# Altium PCB SerializerBoard.PcbDoc (part 1 of 2)
Units mm, origin at the board's own origin, x right, y up, seen from the top; angles counter-clockwise.
Board outline 152.4 x 101.6 mm, 6 copper layers (SIG_TOP, GND_1, PWR, SIG_2, GND, SIG_BOT), stack 0.758 mm thick; 260 components, 142 nets, 833 pads, 16 vias.
Unrouted connection lines stored in the file: 515.
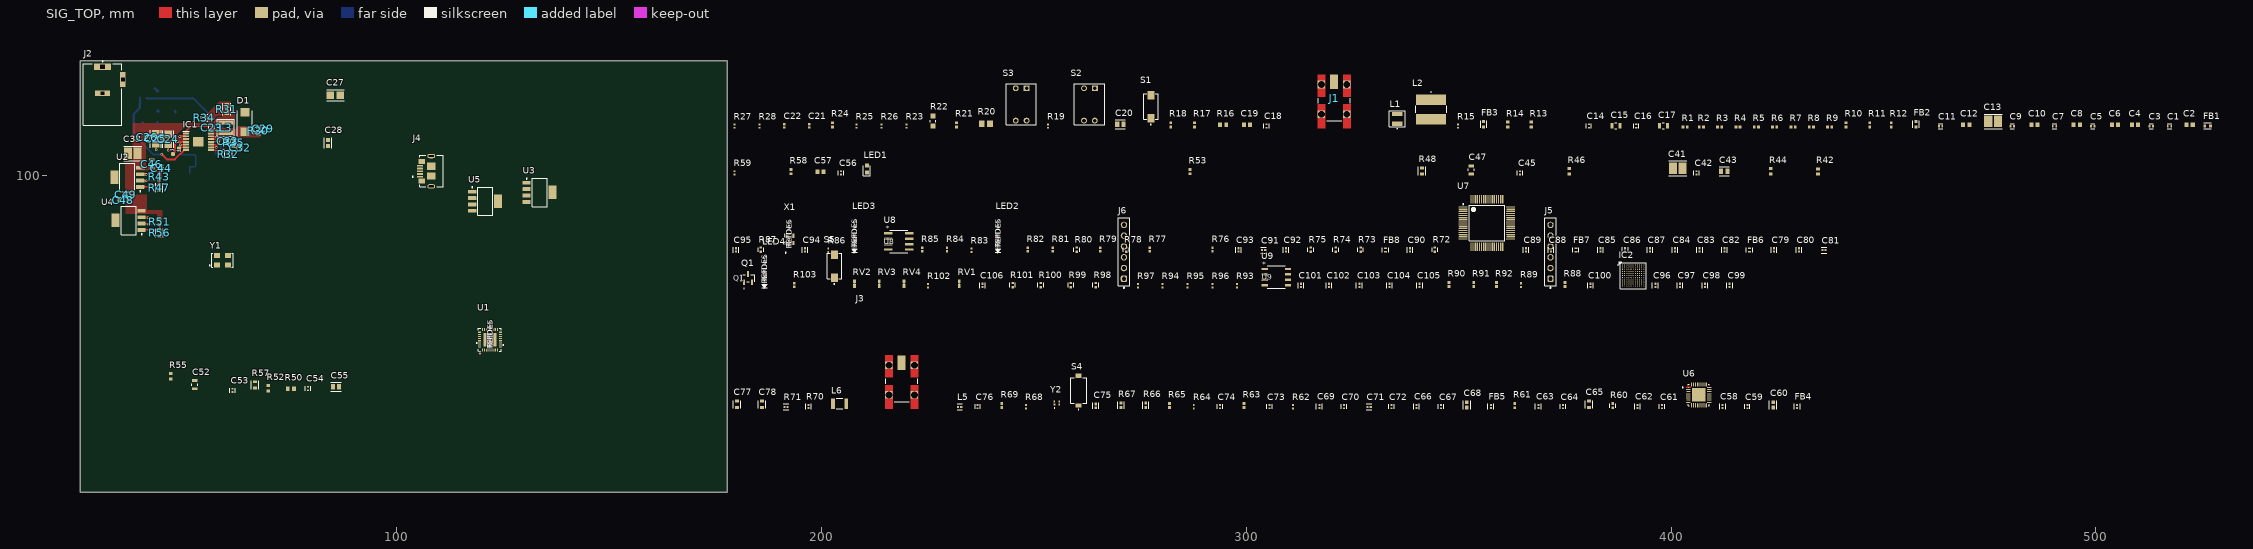
[diagram p0: SIG_TOP view]
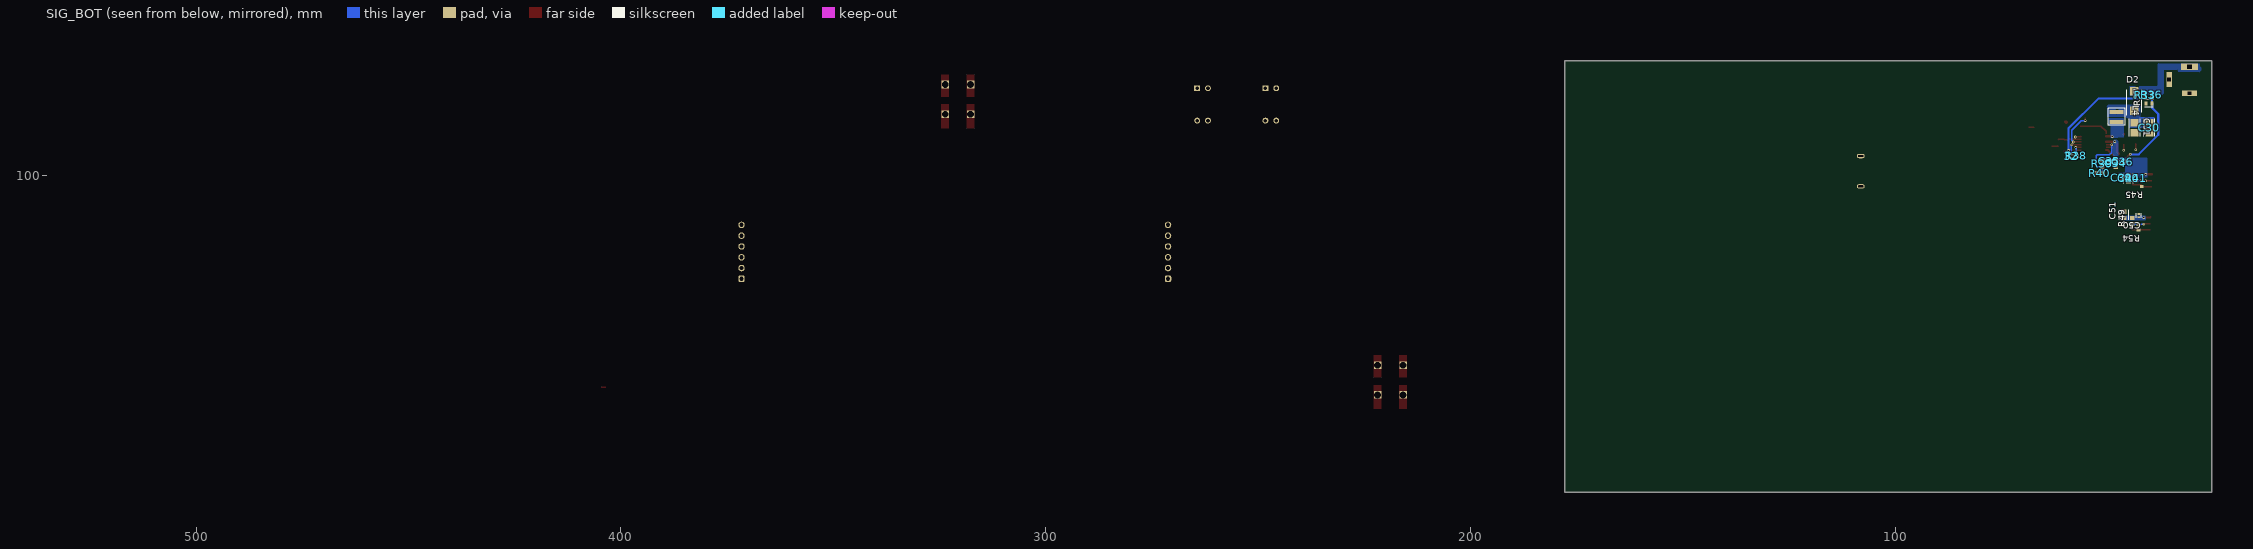
[diagram p1: SIG_BOT view, seen from below]
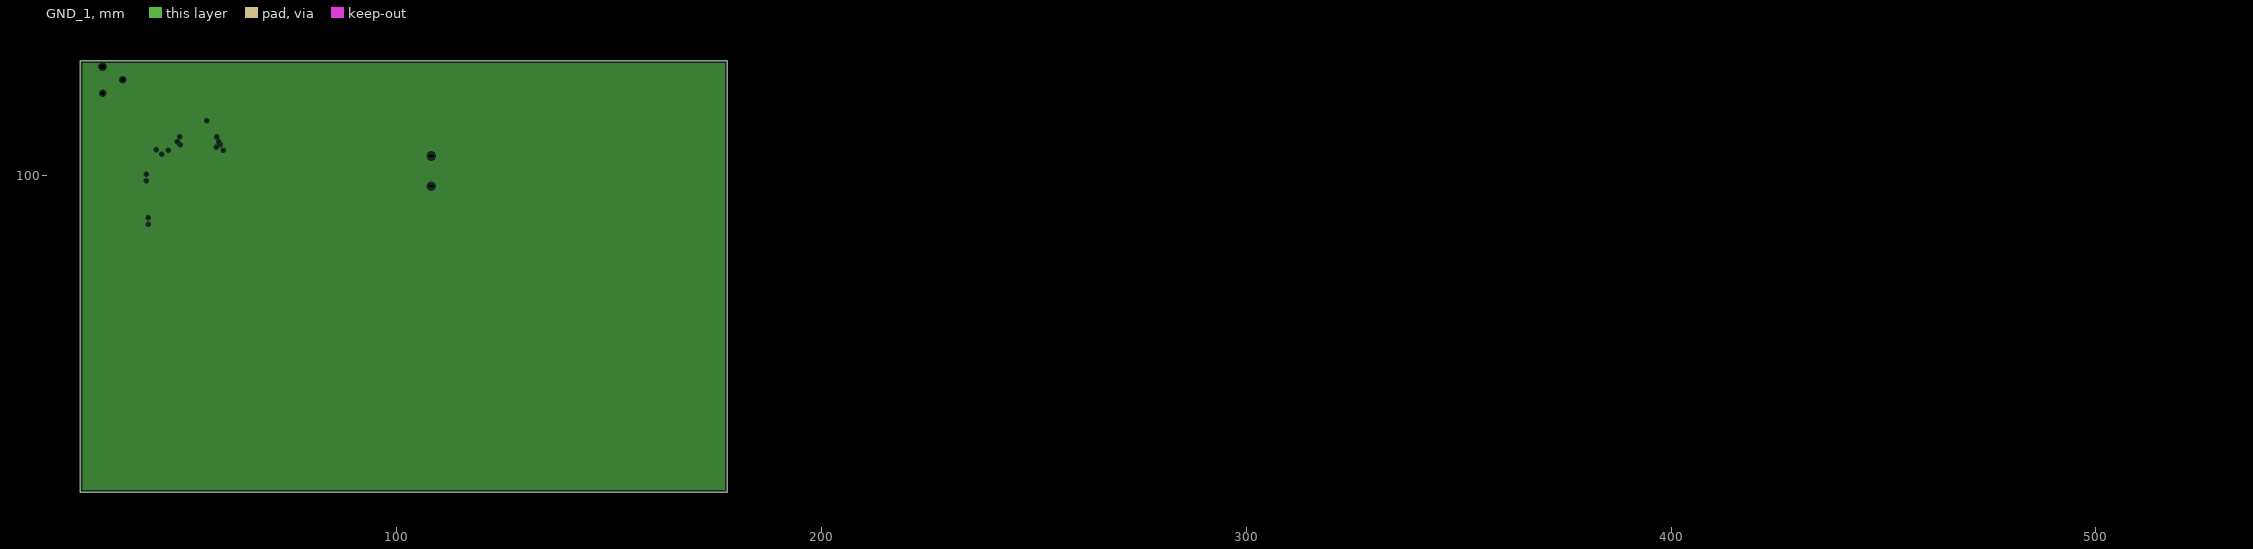
[diagram p2: GND_1, clearances drawn from the general rule]
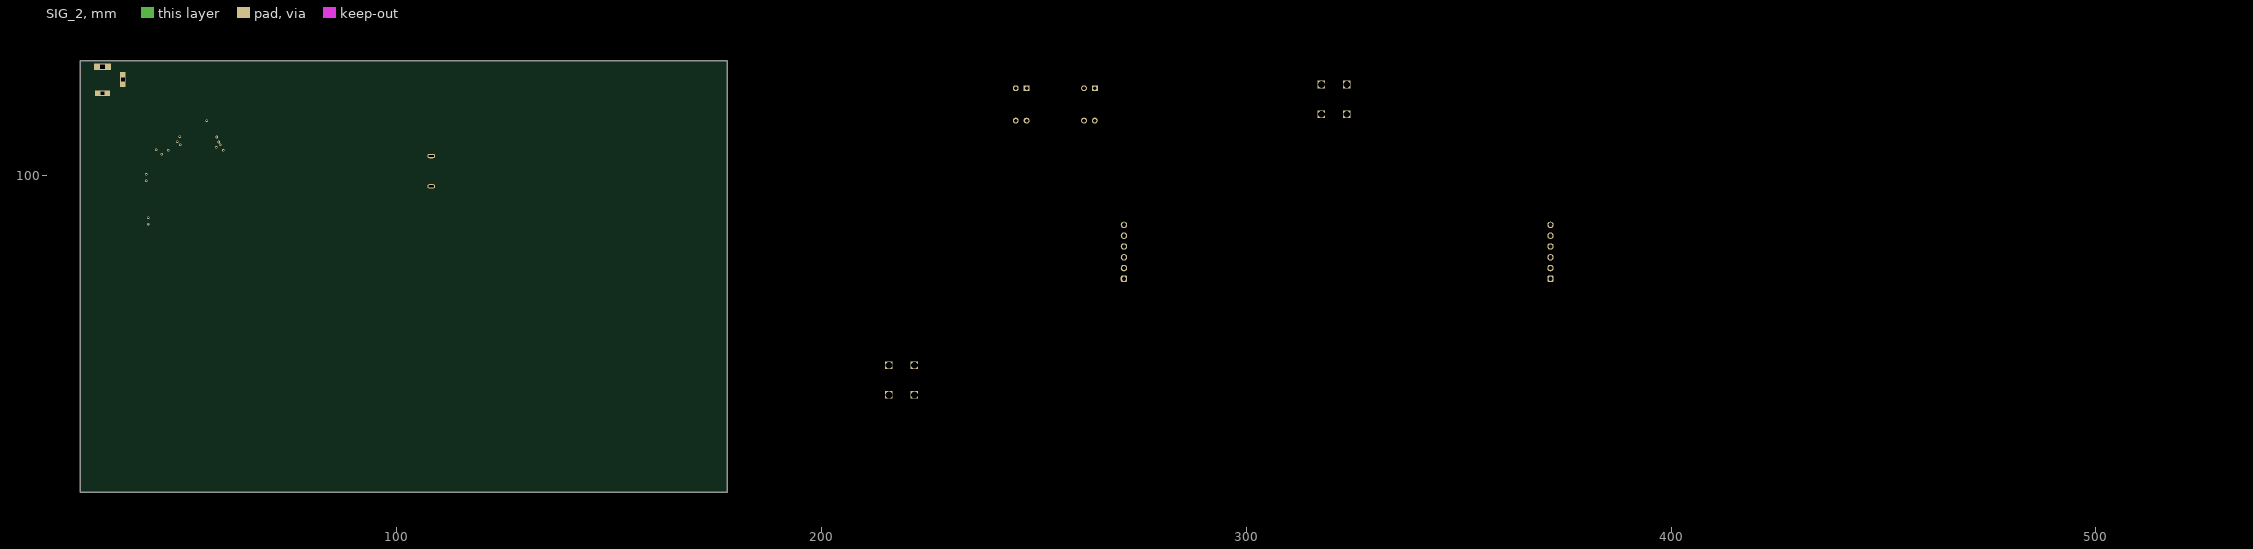
[diagram p3: SIG_2]
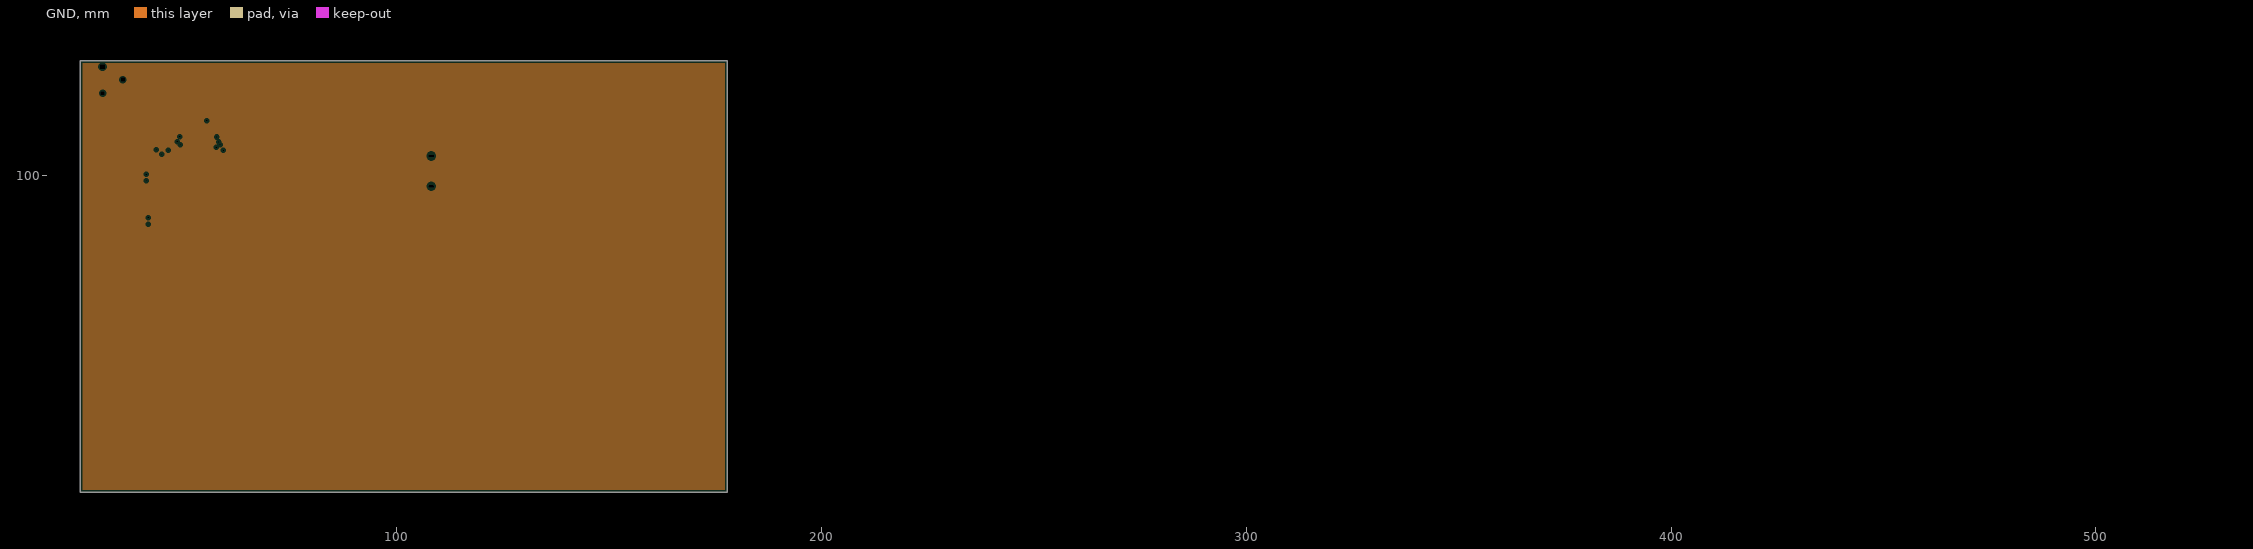
[diagram p4: GND, clearances drawn from the general rule]

## Layer stack, top to bottom
Top Solder: solder mask 0.0254, SM-001, Dk 4
SIG_TOP: signal copper 0.035
Dielectric 1: prepreg 0.092, PP-006, Dk 4.1
GND_1: plane copper 0.03
Dielectric 3: core 0.1, Core-035, Dk 4.7
PWR: signal copper 0.03
Dielectric 4: prepreg 0.092, PP-006, Dk 4.1
Dielectric 5: prepreg 0.092, PP-006, Dk 4.1
SIG_2: signal copper 0.03
Dielectric 6: core 0.1, Core-035, Dk 4.7
GND: plane copper 0.03
Dielectric 8: prepreg 0.092, PP-006, Dk 4.1
SIG_BOT: signal copper 0.035
Bottom Solder: solder mask 0.0254, SM-001, Dk 4

## Board outline
25.4,25.4 177.8,25.4 177.8,127 25.4,127

## Design rules (kind name [scope] priority, off if disabled: settings)
Clearance Clearance_BGA [InComponent('IC2')] p1: gap=0.1 ignorepadtopadclearanceinfootprint=FALSE
Clearance Clearance_1 [All] p2: gap=0.15 ignorepadtopadclearanceinfootprint=FALSE
DiffPairsRouting [All] p1: maxlimit=0.254 minlimit=0.203 mostfreqgap=0.254 midlayer1_maxgap=0.203 midlayer1_prefgap=0.203 midlayer1_minwidth=0.095 midlayer1_maxwidth=0.095 midlayer1_prefwidth=0.095 midlayer2_maxgap=0.203 midlayer2_prefgap=0.203 midlayer2_minwidth=0.095 midlayer2_maxwidth=0.095 midlayer2_prefwidth=0.095 impedanceprofiledriven=TRUE impedanceprofileid={FD245016-CD68-4F11-96E7-735A41B7F21E} impedanceprofilevalue=90.000000 maxuncoupledlength=12.7
PlaneClearance [All] p1: clearance=0.508
PlaneConnect [All] p1: planeconnectstyle=Relief reliefexpansion=0.508 reliefentries=4 reliefconductorwidth=0.254 reliefairgap=0.254
PolygonConnect [All] p1: connectstyle=Direct reliefconductorwidth=0.254 reliefentries=4 polygonreliefangle="90 Angle" airgapwidth=0.254
RoutingVias [All] p1: holewidth=0.2 width=0.3 viastyle="Through Hole" minholewidth=0.15 minwidth=0.25 maxholewidth=0.4 maxwidth=0.5
SolderMaskExpansion [All] p1: expansion=0.102 istentingtop=FALSE
SupplyNets "Schematic Supply Nets_12" [InNet('VDD20V')] p1: voltage=0.000
SupplyNets "Schematic Supply Nets_11" [InNet('VDD3P3')] p2: voltage=0.000
SupplyNets "Schematic Supply Nets_10" [InNet('+VDD5V')] p3: voltage=0.000
SupplyNets "Schematic Supply Nets_9" [InNet('+1.8_USB')] p4: voltage=0.000
SupplyNets "Schematic Supply Nets_8" [InNet('CHASSIS_GND')] p5: voltage=0.000
SupplyNets "Schematic Supply Nets_7" [InNet('+VDD3P3')] p6: voltage=0.000
SupplyNets "Schematic Supply Nets_6" [InNet('GND')] p7: voltage=0.000
SupplyNets "Schematic Supply Nets_5" [InNet('+5V_USB')] p8: voltage=0.000
SupplyNets "Schematic Supply Nets_4" [InNet('+3V3_USB')] p9: voltage=0.000
SupplyNets "Schematic Supply Nets_3" [InNet('+3V3_FPGA')] p10: voltage=0.000
SupplyNets "Schematic Supply Nets_2" [InNet('VDD3P3_A')] p11: voltage=0.000
SupplyNets "Schematic Supply Nets_1" [InNet('VDD1P8')] p12: voltage=0.000
UnRoutedNet [All] p1: checkbadconnections=TRUE
Width Width_1 [All] p1: maxlimit=1 minlimit=0.2 preferedwidth=0.254 minimp=50.000000 maximp=50.000000 favimp=50.000000
Width Width_BGA [All] p2: maxlimit=0.127 minlimit=0.09 preferedwidth=0.1 minimp=50.000000 maximp=50.000000 favimp=50.000000
Width Width_Coax [All] p3: maxlimit=0.254 minlimit=0.143 preferedwidth=0.254 toplayer_maxwidth=0.143 toplayer_prefwidth=0.143 bottomlayer_maxwidth=0.143 bottomlayer_prefwidth=0.143 impedanceprofiledriven=TRUE impedanceprofileid={3394B78A-E446-4760-B2B1-41F2DFBEDB26} impedanceprofilevalue=50.000000 minimp=50.000000 maximp=50.000000 favimp=50.000000
26 further rules are at their usual default settings.

## Classes and differential pairs
component class Serializer_DS90UB913A: C1 C2 C3 C4 C5 C6 C7 C8 C9 C10 C11 C12 C13 C14 C15 C16 C17 C18 C19 C20 C21 C22 FB1 FB2 FB3 J1 L1 L2 R1 R2 R3 R4 R5 R6 R7 R8 R9 R10 R11 R12 R13 R14 R15 R16 R17 R18 R19 R20 R21 R22 R23 R24 R25 R26 R27 R28 S1 S2 S3 U1
component class PowerToSer: C38 C39 C40 C41 C42 C43 C44 C45 C46 C47 C48 C49 C50 C51 C52 C53 C54 C55 C56 C57 LED1 R41 R42 R43 R44 R45 R46 R47 R48 R49 R50 R51 R52 R53 R54 R55 R56 R57 R58 R59 U2 U3 U4 U5 Y1
component class FTDI_USB_To_UART: C79 C80 C81 C82 C83 C84 C85 C86 C87 C88 C89 C90 C91 C92 C93 C94 C95 FB6 FB7 FB8 J4 LED2 LED3 R72 R73 R74 R75 R76 R77 R78 R79 R80 R81 R82 R83 R84 R85 R86 R87 U7 U8 X1
component class FPGA_Bank: C96 C97 C98 C99 C100 C101 C102 C103 C104 C105 C106 IC2 J5 J6 LED4 Q1 R88 R89 R90 R91 R92 R93 R94 R95 R96 R97 R98 R99 R100 R101 R102 R103 RV1 RV2 RV3 RV4 S5 U9
component class DS90UB933TRTVRQ1: C58 C59 C60 C61 C62 C63 C64 C65 C66 C67 C68 C69 C70 C71 C72 C73 C74 C75 C76 C77 C78 FB4 FB5 J3 L5 L6 R60 R61 R62 R63 R64 R65 R66 R67 R68 R69 R70 R71 S4 U6 Y2
component class BuckRegulatorOnSer: 3 32 C23 C24 C25 C26 C27 C28 C30 C31 C32 C33 C35 C36 D1 D2 IC1 J2 L3 L4 R29 R30 R31 R32 R33 R34 R35 R36 R37 R38 R39 R40 TP1 TP2
differential pair FTDI_USB_D_5: +FTDI_USB_D_5_P -FTDI_USB_D_5_N

## Components (designator, comment, footprint, x,y, rotation, side; value= is the part's Value field where it differs from the comment)
32 "0.082uF" FP-C0402-BB-MFG 58.475,104.5 r270 bottom value="82,000 pF" (schematic designator C37)
C1 "0.1u" FP-GRM15-MFG 517.375,111.555 r0 top value=0.10μF
C2 "1u" CAPC1608X90X35ML10T15 522.125,111.905 r0 top
C3 "0.1u" FP-GRM15-MFG 513.075,111.555 r0 top value=0.10μF
C4 "1u" CAPC1608X90X35ML10T15 509.275,111.905 r0 top
C5 "0.1u" FP-GRM15-MFG 499.299,111.555 r0 top value=0.10μF
C6 "1u" CAPC1608X90X35ML10T15 504.55,111.905 r0 top
C7 "0.1u" FP-GRM15-MFG 490.274,111.555 r0 top value=0.10μF
C8 "1u" CAPC1608X90X35ML10T15 495.524,111.905 r0 top
C9 "0.1u" FP-GRM15-MFG 480.348,111.555 r0 top value=0.10μF
C10 "1u" CAPC1608X90X35ML10T15 485.599,111.905 r0 top
C11 "0.1u" FP-GRM15-MFG 463.498,111.555 r0 top value=0.10μF
C12 "1u" CAPC1608X90X35ML10T15 469.523,111.905 r0 top
C13 "22u" FP-GCM32E-0_3-IPC_B 475.848,112.68 r0 top
C14 "0.1u" FP-GRM15-MFG 380.644,111.63 r90 top value=0.10μF
C15 "4.7u" FP-GRM21B-0_15-MFG 387.019,111.73 r0 top
C16 "0.1u" FP-GRM15-MFG 391.819,111.63 r90 top value=0.10μF
C17 "4.7u" FP-GRM21B-0_15-MFG 398.194,111.73 r0 top
C18 "0.1u" FP-GRM15-MFG 304.74,111.63 r90 top value=0.10μF
C19 ".047u" CAPC1608X90X35ML10T15 300.14,111.905 r0 top
C20 "10u" FP-GRM21B-0_1-IPC_C 270.338,112.005 r0 top
C21 "5p_DNP" CAPC1005X55X25LL05T10 197.06,111.655 r90 top
C22 "5p_DNP" CAPC1005X55X25LL05T10 191.209,111.655 r90 top
C23 "0.1uF" FP-GRM15-MFG 56.35,111.175 r90 top value=0.10μF
C24 "22uF" FP-C3216-160-0_2-IPC_B 46.15,108.5 r270 top
C25 "22uF" FP-C3216-160-0_2-IPC_B 43.225,108.575 r270 top
C26 "0.1uF" FP-GRM15-MFG 41.253,108.923 r90 top value=0.10μF
C27 "22uF" FP-C3216-160-0_2-IPC_B 85.499,118.875 r0 top
C28 "0.1uF" FP-GRM188-0_1-e0_2_0_5-IPC_B 83.75,107.627 r90 top
C29 "TBD" FP-GRM15-MFG 68.575,110.925 r90 top value=0.10μF
C30 "4.7uF_50V" FP-C3216-160-0_2-IPC_B 40.1,111.226 r270 bottom
C31 "22uF" FP-C3216-160-0_2-IPC_B 43.6,111.251 r270 bottom
C32 "3900pF" FP-C0402-BB-MFG 63.05,106.45 r90 top value="3,900 pF"
C33 "12pF" FP-C0402-BB-MFG 60.2,108.05 r90 top value="12 pF"
C34 "10uF" FP-C2012-125-0_2-MFG 48.05,102.85 r270 bottom
C35 "0.1uF" FP-GRM15-MFG 49.6,103.275 r90 bottom value=0.10μF
C36 "0.1pF" FP-GRM15-MFG 46.4,103.175 r90 bottom value=0.10μF
C38 "22uF" FP-GCM32E-0_3-IPC_B 37.801,105.15 r0 top
C39 "0.1uF" FP-GRM15-MFG 46.675,99.475 r90 bottom value=0.10μF
C40 "10uF" FP-GRM21B-0_1-IPC_C 45.025,99.3 r270 bottom
C41 "22uF" FP-GCM32E-0_3-IPC_B 401.57,101.63 r0 top
C42 "0.1uF" FP-GRM15-MFG 406.02,100.58 r90 top value=0.10μF
C43 "10uF" FP-GRM21B-0_1-IPC_C 412.545,100.955 r0 top
C44 "0.1uF" FP-GRM15-MFG 44.5,101.725 r180 top value=0.10μF
C45 "0.1uF" FP-GRM15-MFG 364.468,100.58 r90 top value=0.10μF
C46 "4.7uF" FP-GRM21B-0_15-MFG 42.3,102.625 r90 top
C47 "4.7uF" FP-GRM21B-0_15-MFG 352.967,101.28 r90 top
C48 "4.7uF" FP-GRM21B-0_15-MFG 35.55,94.1 r180 top
C49 "0.1uF" FP-GRM15-MFG 36.125,95.425 r0 top value=0.10μF
C50 "0.1uF" FP-GRM15-MFG 42.625,90.5 r270 bottom value=0.10μF
C51 "10uF" FP-GRM21B-0_1-IPC_C 46.075,90.7 r90 bottom
C52 "4.7uF" FP-GRM21B-0_15-MFG 52.425,50.7 r90 top
C53 "0.1uF" FP-GRM15-MFG 61.313,49.38 r90 top value=0.10μF
C54 "0.1uF" FP-GRM15-MFG 79.075,49.825 r90 top value=0.10μF
C55 "10uF" FP-GRM21B-0_1-IPC_C 85.625,50.2 r0 top
C56 "0.1uF" FP-GRM15-MFG 204.585,100.58 r90 top value=0.10μF
C57 "1uF" CAPC1608X90X35ML10T15 199.735,100.855 r0 top
C58 "10n" FP-GCM155-0_05-IPC_C 412.17,45.577 r90 top
C59 "0.1u" FP-GRM15-MFG 417.97,45.527 r90 top value=0.10μF
C60 "4.7u" FP-GRM188-0_15-IPC_C 424.046,45.952 r90 top
C61 "0.1u" FP-GRM15-MFG 397.894,45.527 r90 top value=0.10μF
C62 "0.047u" FP-C1005-050-0_05-IPC_C 392.119,45.577 r90 top
C63 "10n" FP-GCM155-0_05-IPC_C 368.743,45.577 r90 top
C64 "0.1u" FP-GRM15-MFG 374.543,45.527 r90 top value=0.10μF
C65 "10u" FP-GRM188-0_2-MFG 380.669,46.077 r90 top
C66 "10n" FP-GCM155-0_05-IPC_C 340.042,45.577 r90 top
C67 "0.1u" FP-GRM15-MFG 345.842,45.527 r90 top value=0.10μF
C68 "4.7u" FP-GRM188-0_15-IPC_C 351.942,45.952 r90 top
C69 "10n" FP-GCM155-0_05-IPC_C 317.19,45.577 r90 top
C70 "0.1u" FP-GRM15-MFG 322.966,45.527 r90 top value=0.10μF
C71 "10n" FP-GCM155-0_05-IPC_C 328.916,45.502 r0 top
C72 "0.1u" FP-GRM15-MFG 334.166,45.527 r90 top value=0.10μF
C73 "0.1u" FP-GRM15-MFG 305.44,45.527 r90 top value=0.10μF
C74 "0.1u" FP-GRM15-MFG 293.764,45.527 r90 top value=0.10μF
C75 "1uF" FP-C1005-050-0_05-IPC_B 264.563,45.727 r90 top
C76 "0.1u" FP-GRM15-MFG 236.737,45.527 r90 top value=0.10μF
C77 "10uF" FP-GRM188-0_2-MFG 180.084,46.077 r90 top
C78 "10uF" FP-GRM188-0_2-MFG 185.934,46.077 r90 top
C79 "100n" FP-CL278-IPC_C 424.271,82.454 r90 top
C80 "100n" FP-CL278-IPC_C 430.121,82.454 r90 top
C81 "100n" FP-CL278-IPC_C 436.021,82.379 r0 top
C82 "4.7u" FP-CL282-IPC_C 412.595,82.454 r90 top
C83 "100n" FP-CL278-IPC_C 406.745,82.454 r90 top
C84 "100n" FP-CL278-IPC_C 400.92,82.454 r90 top
C85 "100n" FP-CL278-IPC_C 383.394,82.454 r90 top
C86 "100n" FP-CL278-IPC_C 389.219,82.454 r90 top
C87 "100n" FP-CL278-IPC_C 395.069,82.454 r90 top
C88 "4.7u" FP-CL282-IPC_C 371.718,82.454 r90 top
C89 "100n" FP-CL278-IPC_C 365.868,82.454 r90 top
C90 "100n" FP-CL278-IPC_C 338.567,82.454 r90 top
C91 "4.7u" FP-CL282-IPC_C 304.09,82.379 r0 top
C92 "4.7u" FP-CL282-IPC_C 309.365,82.454 r90 top
C93 "4.7u" FP-CL282-IPC_C 298.165,82.454 r90 top
C94 "100n" FP-CL278-IPC_C 196.06,82.454 r90 top
C95 "100n" FP-CL278-IPC_C 179.859,82.454 r90 top
C96 "100n" FP-CL278-IPC_C 396.294,74.079 r90 top
C97 "100n" FP-CL278-IPC_C 402.12,74.079 r90 top
C98 "100n" FP-CL278-IPC_C 407.97,74.079 r90 top
C99 "100n" FP-CL278-IPC_C 413.82,74.079 r90 top
C100 "100n" FP-CL278-IPC_C 381.069,74.079 r90 top
C101 "100n" FP-CL278-IPC_C 312.89,74.079 r90 top
C102 "100n" FP-CL278-IPC_C 319.491,74.079 r90 top
C103 "100n" FP-CL278-IPC_C 326.591,74.079 r90 top
C104 "100n" FP-CL278-IPC_C 333.716,74.079 r90 top
C105 "100n" FP-CL278-IPC_C 340.817,74.079 r90 top
C106 "100n" FP-CL278-IPC_C 237.862,74.079 r90 top
D1 "MBRS1540T3G" DIOM5436X256N 64.2,112.55 r90 top
D2 "MBRS1540T3G" DIOM5436X256N 43.675,117.5 r90 bottom
FB1 "1k" FP-BLM18-0_15-t0_8-MFG 526.326,111.655 r0 top
FB2 "1k" FP-BLM18-0_15-t0_8-MFG 457.697,112.03 r90 top
FB3 "1k" FP-BLM18-0_15-t0_8-MFG 355.867,112.03 r90 top
FB4 "1k" FP-BLM15-0_05-IPC_C 429.696,45.577 r90 top
FB5 "1k" FP-BLM15-0_05-IPC_C 357.567,45.577 r90 top
FB6 "120R" FP-BLM15-0_05-d0_7-MFG 418.495,82.404 r90 top
FB7 "120R" FP-BLM15-0_05-d0_7-MFG 377.593,82.404 r90 top
FB8 "120R" FP-BLM15-0_05-d0_7-MFG 332.766,82.404 r90 top
IC1 "TPS65320QPWPRQ1" SOP65P640X120-15N 53.263,107.9 r0 top
IC2 "LCMXO3LF-4300E-5MG121C" CSFBGA-121_L6.0-W6.0-R11-C11-P0.50-TL 390.844,76.504 r0 top
J1 "59S2AQ-40MT5-Z_1" ROSENBERGER_59S2AQ-40MT5-Z_1 320.666,123.706 r0 top
J2 "RAPC722X" SWITCH-RAPC712X-3_V 30.675,122.425 r0 top
J3 "59S2AQ-40MT5-Z_1" ROSENBERGER_59S2AQ-40MT5-Z_1 218.836,57.603 r0 top
J4 "USB3076-XX-X_REVC5" GCT_USB3076-XX-X_REVC5 108.075,100.975 r90 top
J5 "61300611821" 61300611821 371.618,81.979 r90 top
J6 "61300611821" 61300611821 271.188,81.979 r90 top
L1 "4.7u" 1008PS 335.516,113.306 r0 top
L2 "100u" MSS7341T104MLB 343.492,115.531 r0 top